# Allegro board LAY_90818_C.brd (continued)
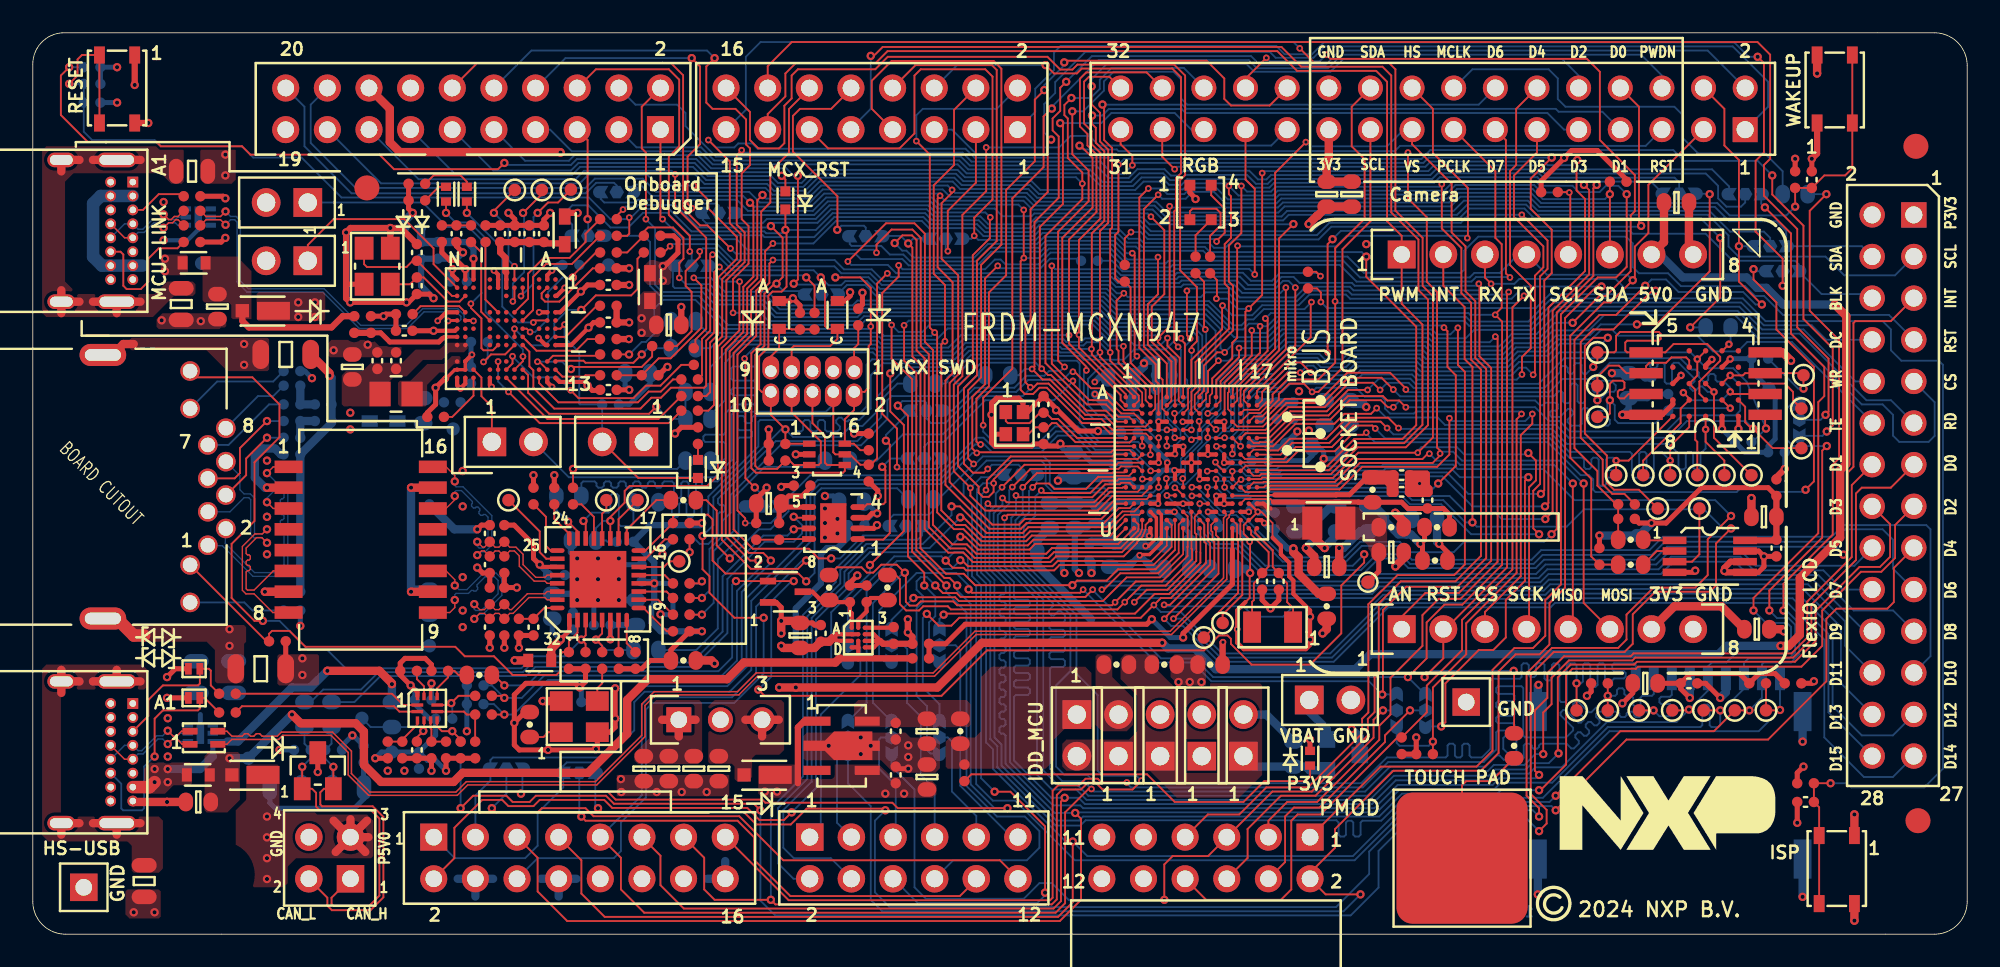
[diagram p0: board, top side]
## Routing (per net, layer and track width the routed paths; a pad name or vN(x,y) marks a point on that pad's centre or on a via; arc(x,y) is an arc through that point) (continued)
P0_2/TDO/SWO: length 73.6
  TOP w0.102: 73.98,33.24 73.88,33.14 73.88,32.57 U1.B16
  TOP w0.112: v1(76.43,39.45) 76.43,35.7 73.98,33.24 ; v1(38.87,41.98) 38.49,41.6 R130.2 ; J23.6 47.56,31.18 48.32,30.42 48.32,28.77 48.46,28.63 D16.4 49.53,28.27 49.42,28.16 44.11,28.16 43.83,28.43 43.83,35.44 44.39,36 44.39,39.2 44.93,39.74 44.93,40.92 v1(45.15,41.13)
  BOTTOM w0.112: v1(76.43,39.45) 76.11,39.13 73.78,39.13 73.26,39.64 70.19,39.64 70.04,39.49 66.08,39.49 65.71,39.85 51.89,39.85 51.17,40.57 49.48,40.57 48.91,41.13 v1(45.15,41.13) 42.72,41.13 41.75,42.1 39,42.1 v1(38.87,41.98)
P0_3/CMP1_IN1-MC_CUR_DCB: length 83.2
  TOP w0.102: 73.72,33.32 73.72,33.27 73.67,33.22 U1.B15
  TOP w0.112: v2(76.9,43.33) 76.02,42.46 76.02,35.62 73.72,33.32 ; v1(36,44.21) 35.62,43.83 R131.2 ; J23.8 46.29,31.84 48.07,30.06 48.07,28.76 47.94,28.63 D16.3 46.43,28.63 46.16,28.9 R145.2 45.41,28.4 44.25,28.4 44.07,28.58 44.07,35.35 44.63,35.9 44.63,39.08 45.24,39.69 v2(45.37,39.69) 45.37,39.72 45.74,40.09 45.74,42.49 v2(45.02,43.21)
  BOTTOM w0.112: SJ17.1 46.92,39.24 45.8,39.24 45.37,39.67 v2(45.37,39.69) ; v1(36,44.21) 36.18,44.39 36.82,44.39 36.92,44.49 39.2,44.49 40.57,43.12 44.94,43.12 v2(45.02,43.21) 45.02,43.24 45.19,43.41 47.86,43.41 48.69,44.23 54.53,44.23 54.96,43.8 57.8,43.8 58.29,43.31 60.77,43.31 61.2,43.74 67.7,43.74 68.12,43.31 76.88,43.31 v2(76.9,43.33)
P0_4/PDM0_CLK: length 105.3
  TOP w0.102: U1.B14 73.47,32.56 73.47,33.4 73.58,33.52
  TOP w0.112: v1(64.07,21.02) 63.88,20.83 57.29,20.83 v2(57.09,21.04) ; v2(82.31,14.62) 82.36,14.67 82.36,19.78 83.78,21.2 86.91,21.2 88.66,22.94 88.66,34.49 87.99,35.16 87.99,38.63 87.4,39.23 87.4,41.97 86.55,42.82 86.55,45.79 84.14,48.2 84.14,49.09 ; 73.58,33.52 75.78,35.72 75.78,46.45 v1(77.66,48.33)
  BOTTOM w0.112: v1(77.66,48.33) 77.91,48.07 82.61,48.07 83.63,49.09 84.14,49.09 ; SJ22.3 51.93,16.65 51.62,16.96 51.62,19.75 53.91,22.04 56.32,22.04 57.09,21.28 v2(57.09,21.04) ; SJ12.3 82.58,14.63 82.57,14.62 v2(82.31,14.62) 81.5,15.43 71.89,15.43 70.75,16.58 68.52,16.58 64.07,21.02 v1(64.07,21.02)
P0_5/PDM0_DATA0: length 104.1
  TOP w0.102: U1.A14 73.2,32.8 73.2,33.2
  TOP w0.112: J9.15 89.22,46.55 89.22,42.49 89.61,42.1 89.61,38.23 89.21,37.83 v1(89.21,37.79) 89.63,37.38 89.63,22.54 87.2,20.11 86.11,20.11 85.03,19.02 85.03,16.83 v2(83.88,15.69) ; v1(64.65,21.02) 64.21,20.58 56.6,20.58 56.36,20.81 55.52,20.81 v2(55.05,21.28) ; v1(75.19,37.57) 75.32,37.43 75.32,35.6 73.22,33.49 73.22,33.22 73.2,33.2
  BOTTOM w0.112: v2(55.05,21.28) 54.55,21.78 54.16,21.78 53.91,21.53 53.91,21.02 54.29,20.64 54.29,20.26 53.91,19.88 53.91,14.55 54.55,13.91 54.55,11.24 54.76,11.03 SJ21.3 ; v1(64.65,21.02) 64.65,21 68.82,16.83 70.86,16.83 72,15.69 v2(83.88,15.69) 84.94,14.63 SJ13.3 ; v1(75.19,37.57) 75.52,37.9 87.58,37.9 87.69,37.79 v1(89.21,37.79)
P0_6/ISPMODE_N-DEBUG: length 144.5
  TOP w0.102: U1.C14 72.9,32.04 72.9,33.03 72.97,33.09 72.97,33.49
  TOP w0.112: v1(74.87,37.09) 74.87,35.48 72.97,33.58 72.97,33.49 ; v2(109.66,9.21) R1.2 C3.1 108.97,7.75 SW3.3 SW3.4 ; v1(41.47,41.46) 41.32,41.32 41.32,36.82 40.82,36.32 40.82,34.1 R133.2 ; v2(48.07,40.07) 48.32,39.82 48.32,37.11 48.49,36.94 D15.C 49.08,36.32 48.64,35.88 46.42,35.88 46.29,35.75 J23.7
  BOTTOM w0.112: v2(109.66,9.21) 110.68,9.21 110.93,8.96 115.38,8.96 116.52,10.1 116.52,34.74 116.27,34.99 113.98,34.99 113.35,35.63 113.35,36.9 112.84,37.41 105.7,37.41 104.31,38.8 92.64,38.8 91.23,37.38 87.72,37.38 87.44,37.66 75.86,37.66 75.3,37.09 v1(74.87,37.09) 74.71,37.25 74.19,37.25 73.83,36.9 73.15,36.9 71.65,38.39 66.16,38.39 65.42,39.14 51.59,39.14 50.88,39.85 49.56,39.85 49.31,39.6 48.55,39.6 v2(48.07,40.07) 47.63,40.51 42.67,40.51 41.71,41.46 v1(41.47,41.46)
P0_7/FXIO_LCD_DC: length 45.6
  TOP w0.102: 72.81,33.76 72.7,33.65 72.7,31.8 U1.C13
  TOP w0.112: 72.81,33.76 74.36,35.31 v1(74.36,36.84)
  BOTTOM w0.112: v1(74.36,36.84) 74.51,36.68 75.25,36.68 75.98,37.42 87.32,37.42 87.61,37.13 91.33,37.13 92.75,38.54 104.2,38.54 105.59,37.15 108.52,37.15 109.4,36.27 J8.8
P0_8/FXIO_LCD_RD: length 50.1
  TOP w0.102: U1.C12 71.68,31.77 v1(71.67,31.77)
  BOTTOM w0.112: J8.11 113.35,32.58 111.85,32.58 107.79,36.64 105.38,36.64 103.99,38.03 93.15,38.03 91.73,36.62 90.21,36.62 89.45,35.87 85.29,35.87 85.02,36.14 76.56,36.14 75.49,35.07 73.54,35.07 72.17,33.7 72.17,32.27 v1(71.67,31.77)
P0_9/FXIO_LCD_WR: length 45.4
  TOP w0.112: v1(73.58,35.76) 73.58,35.2 72.2,33.82 72.2,32.79 U1.A12
  BOTTOM w0.112: J8.10 111.18,33.73 108.01,36.9 105.49,36.9 104.1,38.29 92.85,38.29 91.44,36.87 87.92,36.87 87.41,36.36 85.52,36.36 85.21,36.66 76.33,36.66 75.43,35.76 v1(73.58,35.76)
P0_10/CT0_MAT0-ARD_D9: length 49
  TOP w0.102: U1.B12 72.45,32.55 72.45,33.74
  TOP w0.112: v1(72.2,38.78) 72.2,38.9 72.23,38.94 72.23,39.91 R5.2 ; 72.45,33.74 73.97,35.26 73.97,37.98 v1(74.17,38.18) 74.99,39 v1(74.99,46.44)
  BOTTOM w0.112: v1(74.99,46.44) 75.02,46.44 75.14,46.56 85.12,46.56 85.47,46.91 92.08,46.91 92.32,46.67 102.43,46.67 103.48,45.62 SJ5.1 ; v1(72.2,38.78) 72.86,38.78 73.48,38.16 74.15,38.16 v1(74.17,38.18)
P0_11/SMARTDMA_CAMERA_HSYNC: length 35.4
  TOP w0.102: U1.B11 71.79,32.39 71.79,32.85 71.94,33 71.94,33.47
  TOP w0.112: 84.14,51.63 85.41,50.36 85.41,47.67 87.54,45.53 87.54,42.51 v1(87.51,42.48) ; 71.94,33.47 71.94,33.91 73.17,35.13 73.17,36.09 73.47,36.39 73.47,41.98 v1(73.49,42)
  BOTTOM w0.112: v1(73.49,42) 73.53,41.97 79.5,41.97 80.15,42.61 87.37,42.61 v1(87.51,42.48)
P0_12/FXIO_LCD_CS: length 57.1
  TOP w0.102: v1(72.17,30.8) 72.14,30.8 71.67,31.27 U1.D11
  BOTTOM w0.102: 73.09,31.06 72.91,30.88 72.25,30.88 v1(72.17,30.8)
  BOTTOM w0.112: J8.9 116.01,32.46 116.01,30.41 115.65,30.04 113.85,30.04 113.47,30.42 113.47,31.69 112.84,32.33 111.57,32.33 107.5,36.39 105.22,36.39 103.83,37.78 95.86,37.78 94.92,36.84 92.74,36.84 91.96,36.06 90.37,36.06 89.67,35.36 85.08,35.36 84.83,35.61 80.4,35.61 79.86,35.07 78.81,35.07 78.48,35.4 76.91,35.4 75.69,34.19 74.04,34.19 73.09,33.24 73.09,31.06
P0_13/FXIO_LCD_TE: length 47.3
  TOP w0.102: U1.F12 72.68,30.27 v1(72.7,30.29)
  BOTTOM w0.102: v1(72.7,30.29) 72.72,30.27 73.06,30.27 73.56,30.77 73.56,32.7 74.46,33.6
  BOTTOM w0.112: J8.12 112.2,31.23 107.3,36.14 104.58,36.14 104.01,35.56 102.49,35.56 101.54,36.52 96.71,36.52 96.33,36.9 95.69,36.9 95.08,36.29 93.05,36.29 92.31,35.55 90.58,35.55 89.88,34.85 84.87,34.85 84.59,35.14 80.64,35.14 80.1,34.6 78.57,34.6 78.24,34.93 77.19,34.93 75.86,33.6 74.46,33.6
P0_14/ADC0_B14-MC_BEMF_B: length 99.9
  TOP w0.102: U1.E11 71.67,30.3 v1(71.67,30.3)
  TOP w0.112: v2(97.85,37.21) 99.05,37.21 102.29,40.45 v2(102.29,45.15) ; v2(61.75,2.54) 61.75,6.58 59.63,8.7 v2(58.67,8.7)
  BOTTOM w0.102: 68.77,26.86 69.53,27.63 69.79,27.63 69.97,27.45 70.31,27.45 71.08,28.21 71.08,29.5 71.67,30.09 v1(71.67,30.3) 72.2,30.3 72.58,30.67 72.99,30.67 73.17,30.85 73.17,30.85 73.3,30.97 73.3,32.92 74.23,33.85
  BOTTOM w0.112: v2(97.85,37.21) 95.64,37.21 94.98,36.54 92.92,36.54 92.19,35.81 90.47,35.81 89.77,35.1 84.98,35.1 84.71,35.37 80.52,35.37 79.98,34.84 78.69,34.84 78.36,35.17 77.07,35.17 75.75,33.85 74.23,33.85 ; v2(61.75,2.54) 61.75,2.37 61.28,1.91 53.97,1.91 52.5,3.38 J4.6 ; 68.77,26.86 68.65,26.74 65.47,26.74 65.25,26.96 62.24,26.96 61.78,27.41 61.78,28.62 61.5,28.9 58.18,28.9 56.78,27.5 56.78,26.74 57.29,26.22 57.29,21.85 57.85,21.29 57.85,9.52 v2(58.67,8.7) ; v2(102.29,45.15) 102.27,45.18 SJ19.3
P0_15/ARD_A4: length 131.7
  TOP w0.102: U1.G13 v1(72.2,29.77)
  TOP w0.112: v2(91.88,7.18) 91.88,7.69 91.12,8.45 91.12,15.92 92.67,17.47 96.71,17.47 97.22,17.97 97.22,19.5 98.87,21.15 101.41,21.15 102.17,21.91 102.17,24.1 v2(103.59,25.52) ; v2(34.48,7.69) 34.71,7.45 43.38,7.45 44.13,6.7 46.24,6.7 47.2,7.66 51.9,7.66 v2(52.01,7.56)
  BOTTOM w0.102: v1(72.2,29.77) 72.2,29.75 73.01,28.94 73.64,28.94 74.2,28.39 75.88,28.39
  BOTTOM w0.112: SJ8.1 34.31,7.85 v2(34.48,7.69) ; v2(91.88,7.18) 91.5,7.56 84.04,7.56 81.52,5.04 81.52,3.67 79.5,1.66 52.27,1.66 51.37,2.56 51.37,6.93 v2(52.01,7.56) ; v2(103.59,25.52) 102.63,26.48 94.04,26.48 92.15,28.38 86.92,28.38 86.64,28.65 82.37,28.65 82.26,28.55 76.04,28.55 75.88,28.39
P0_16/FC2_I2C_SDA-MCULINK: length 103
  TOP w0.102: 71.69,33.09 71.56,32.96 71.56,32.66 U1.B10
  TOP w0.112: 71.69,33.09 71.69,34.36 v1(72.33,34.99) ; R142.2 36.26,41.6 R141.2 37.27,42.87 37.53,43.12 39.06,43.12 39.69,42.49 39.69,41.22 39.44,40.97 v1(39.44,40.05) ; J7.3 75.37,6.93 76.52,8.07 78.34,8.07 82.14,11.86 82.14,12.72 82.82,13.4 82.82,15.64 84.77,17.59 84.77,19.47 85.76,20.46 87.09,20.46 89.35,22.72 89.35,36.32 v1(89.22,36.46)
  BOTTOM w0.112: v1(89.22,36.46) 88.88,36.12 85.4,36.12 85.12,36.4 76.47,36.4 75.39,35.32 73.29,35.32 72.96,34.99 v1(72.33,34.99) 72.15,35.17 72.15,36.82 71.44,37.53 66.01,37.53 65.12,38.42 50.4,38.42 50.11,38.13 45.56,38.13 44.75,38.94 42.01,38.94 41.29,39.66 39.82,39.66 v1(39.44,40.05)
P0_17/FC2_I2C_SCL-MCULINK: length 106.5
  TOP w0.102: 71.44,33.15 71.17,32.88 U1.A10
  TOP w0.112: v1(72.71,35.5) 72.24,35.5 71.44,34.69 71.44,33.15 ; v1(40.32,40.05) 40.78,39.59 40.78,37 38.92,35.14 38.18,35.14 R140.2 R143.2 ; J7.7 71.68,7.31 73.6,7.31 75.25,8.96 77.79,8.96 81.09,12.26 81.09,13.15 81.47,13.53 81.47,20.13 83.25,21.91 86.71,21.91 87.36,22.56 87.36,34.31 86.93,34.74 v1(86.93,37)
  BOTTOM w0.112: v1(86.93,37) 86.88,37 86.47,36.6 85.64,36.6 85.33,36.9 76.21,36.9 75.48,36.18 73.38,36.18 v1(72.71,35.5) 72.45,35.75 72.45,36.92 71.55,37.82 66.06,37.82 65.22,38.66 50.3,38.66 50.01,38.37 45.66,38.37 44.83,39.2 42.21,39.2 41.36,40.05 v1(40.32,40.05)
P0_18/PMOD_FC0_SPI_MISO: length 110.3
  TOP w0.102: 71.18,34.23 71.18,33.21 70.88,32.91 70.88,32.07 U1.C10
  TOP w0.112: 71.18,34.23 71.18,34.8 73.21,36.83 73.21,39.56 72.96,39.82 72.96,42.02 73.72,42.78 v1(73.72,45.66) ; v1(85.95,45.76) 85.95,43.06 87.14,41.87 87.14,39.12 87.74,38.53 87.74,35.05 88.34,34.45 88.34,23.08 86.79,21.53 83.45,21.53 82.1,20.18 82.1,15.94 81.85,15.69 81.85,13.55 81.44,13.14 81.44,12.13 78.01,8.7 75.61,8.7 J7.5 72.83,5.91 71.69,4.77 69.53,4.77 69.02,4.26 v2(69.02,2.1)
  BOTTOM w0.112: v1(85.95,45.76) 85.79,45.61 75.82,45.61 75.53,45.31 74.07,45.31 v1(73.72,45.66) ; v2(69.02,2.1) 63.18,2.1 62.17,3.12 61.4,3.12 60.45,2.16 54.48,2.16 53.78,2.86 53.78,8.83 52.39,10.23 SJ23.3
P0_19/PMOD_FC0_SPI_CS: length 145.8
  TOP w0.102: U1.C9 70.67,33.09 70.93,33.34
  TOP w0.112: J7.1 82.22,10.23 88.07,10.23 89.04,11.2 89.04,16.13 90.37,17.46 91.51,17.46 92.26,18.21 92.26,20.39 93.22,21.34 93.22,37.82 95.47,40.07 96.58,40.07 97.23,40.72 v2(97.23,45.15) ; v1(72.96,45.66) 72.96,45.15 73.09,45.03 73.09,42.49 72.71,42.11 72.71,39.69 72.96,39.44 72.96,36.94 70.93,34.91 70.93,33.34
  BOTTOM w0.112: v2(97.23,45.15) 96.72,45.66 95.96,45.66 95.58,45.28 94.3,45.28 93.92,45.67 91.97,45.67 91.68,45.95 86.68,45.95 86.1,45.37 75.94,45.37 75.65,45.07 73.54,45.07 v1(72.96,45.66) 72.8,45.81 70.53,45.81 70.16,45.44 69.26,45.44 68.78,45.92 67.76,45.92 67.25,45.41 61.46,45.41 60.93,45.95 56.77,45.95 56.31,46.4 47.79,46.4 47,45.6 45.35,45.6 44.93,46.02 41.08,46.02 40.28,46.82 33.39,46.82 32.89,46.32 25.82,46.32 J2.13
P0_20/PMOD_INT: length 123.1
  TOP w0.102: 70.67,33.47 70.47,33.27 70.47,33.01 70.47,32.07 U1.C8
  TOP w0.112: v2(95.69,39.52) 95.39,39.52 93.47,37.6 93.47,21.15 92.52,20.2 92.52,17.68 91.92,17.08 90.45,17.08 89.41,16.04 89.41,11.06 88.33,9.97 82.99,9.97 79.44,6.42 79.44,5.27 77.91,3.75 J7.2 78.87,2.43 v2(80.99,2.43) ; 70.67,33.47 70.67,35.04 72.55,36.91 72.55,38.33 v1(72.57,38.36)
  BOTTOM w0.112: SJ24.3 49.72,9.21 51.12,7.81 51.12,2.1 51.81,1.4 79.96,1.4 v2(80.99,2.43) ; v1(72.57,38.36) 73.16,37.76 74.38,37.76 74.99,38.38 77.22,38.38 77.88,39.03 80.1,39.03 80.36,38.77 90.2,38.77 90.95,39.52 v2(95.69,39.52)
P0_21/TSI0_CH16: length 43.3
  TOP w0.102: 70.28,33.45 70.17,33.35 U1.A8
  TOP w0.112: 70.28,33.45 70.28,36.05 70.04,36.28 v1(70.04,36.36) ; v2(51.07,22.53) 53.13,24.59 53.13,31.07 52.3,31.9 v2(52.3,34.22)
  BOTTOM w0.112: SJ25.3 48.81,16.62 48.7,16.73 48.7,19.64 51.07,22 v2(51.07,22.53) ; v2(52.3,34.22) 52.69,34.6 56.48,34.6 57.24,35.36 62.47,35.36 62.54,35.28 63.86,35.28 64.09,35.05 66.56,35.05 67.18,35.68 69.1,35.68 69.79,36.36 v1(70.04,36.36)
P0_22/ADC0_A14-MC_BEMF_C: length 87.8
  TOP w0.102: 69.96,33.52 69.9,33.46 69.9,32.66 69.9,32.54 U1.B8
  TOP w0.112: v1(52.39,37.17) 52.39,35.12 53.64,33.86 53.64,23.34 55.71,21.28 v2(55.73,21.28) ; v1(69.22,36.38) 69.22,35.9 69.96,35.15 69.96,33.52
  BOTTOM w0.112: SJ18.3 37.27,42.61 37.65,42.23 37.65,39.56 38.27,38.95 40.63,38.95 42.41,37.17 50.5,37.17 50.8,37.47 52.09,37.47 v1(52.39,37.17) 52.81,36.75 54.27,36.75 54.72,37.2 64.66,37.2 65.26,36.59 65.57,36.29 66.84,36.29 67.19,35.93 68.77,35.93 v1(69.22,36.38) ; v2(55.73,21.28) 55.73,20.86 56.96,19.63 56.96,9.04 58.82,7.18 60.51,7.18 61.4,6.29 61.4,5.27 60.64,4.51 56.15,4.51 J4.8
P0_23/ARD_A5: length 144.8
  TOP w0.102: U1.B7 69.67,33.56 69.71,33.6
  TOP w0.112: v2(29.78,8.58) 29.78,8.59 29.89,8.7 35.07,8.7 35.56,8.21 44.49,8.21 44.68,8.02 52.43,8.02 52.77,7.69 v2(59.45,7.69) ; v1(69.35,44.42) 69.35,37.1 68.64,36.39 v1(68.64,36.38) 68.64,36.11 69.71,35.05 69.71,33.6 ; SW2.4 SW2.3 110.99,46.74 110.55,46.3 109.28,46.3 C4.1 R2.2 v2(107.5,44.39) ; v2(56.39,21.28) 55.92,21.74 55.6,21.74 53.9,23.45 53.9,34.25 53.15,34.99 v1(53.15,37.15)
  BOTTOM w0.112: v2(29.78,8.58) 29.87,8.67 SJ9.1 ; v2(107.5,44.39) 106.97,43.86 103.51,43.86 102.75,44.61 92.01,44.61 91.39,45.23 86.98,45.23 86.39,44.64 76.26,44.64 75.95,44.34 69.42,44.34 v1(69.35,44.42) ; v1(53.15,37.15) 53.43,37.44 64.76,37.44 65.36,36.83 65.65,36.54 68.48,36.54 v1(68.64,36.38) ; v2(59.45,7.69) 58.67,7.69 57.21,9.14 57.21,20.15 56.39,20.98 v2(56.39,21.28)
P0_24/FC1_SPI_SDO-ARD_D11: length 39.1
  TOP w0.102: 69.45,33.6 69.45,32.55 U1.B6
  TOP w0.112: v1(68.21,43.78) 69.02,42.96 69.02,39.06 68.26,38.29 68.26,36.14 69.45,34.94 69.45,33.6
  BOTTOM w0.112: SJ7.1 42.95,43.88 47.67,43.88 48.5,44.71 54.76,44.71 55.19,44.28 58.68,44.28 59.15,43.81 60.93,43.81 61.1,43.98 68.01,43.98 v1(68.21,43.78)
P0_25/FC1_SPI_SCK-ARD_D13: length 63.8
  TOP w0.112: U1.A6 69.17,34.82 68.02,35.97 68.02,38.43 68.64,39.05 v1(68.64,41.31) ; v1(42.56,41.84) 41.15,43.25 40.7,43.25 39.67,44.28 39.67,52.41 38.92,53.15 27.11,53.15 J2.12
  BOTTOM w0.112: v1(68.64,41.31) 68.49,41.17 66.77,41.17 65.87,42.07 61.89,42.07 61.46,41.64 58.46,41.64 57.63,40.81 53.43,40.81 53.04,41.2 50.5,41.2 50.18,41.52 42.88,41.52 v1(42.56,41.84)
P0_26/FC1_SPI_SDI-ARD_D12: length 69.6
  TOP w0.102: v1(70.67,30.17) 70.78,30.27 U1.F10
  TOP w0.112: v1(42.72,37.91) 42.72,39.97 43.66,40.91 43.66,43.21 43.24,43.63 43.24,46.42 43.75,46.93 43.75,47.95 43.51,48.19 43.51,49.71 42.86,50.36 41.46,50.36 41.08,50.74 41.08,52.95 v2(41.59,53.45)
  BOTTOM w0.102: v1(70.67,30.17) 70.65,30.17 70.27,30.55 70.27,30.88 70.5,31.11 70.5,31.9 71.1,32.5
  BOTTOM w0.112: v2(41.59,53.45) 41.13,53.92 30.42,53.92 J2.10 ; 71.1,32.5 71.1,36.43 70.73,36.79 65.74,36.79 65.46,37.07 64.82,37.71 50.7,37.71 50.4,37.41 44.89,37.41 44.38,37.91 v1(42.72,37.91)
P0_27/FC1_SPI_PCS-ARD_D10: length 45.1
  TOP w0.102: v1(71.14,31.3) 71.17,31.27 U1.E10
  TOP w0.112: R6.2 71.44,39.81 71.44,36.97 v1(71.52,36.9)
  BOTTOM w0.102: v1(71.14,31.3) 71.31,31.46 71.31,31.94 71.58,32.21
  BOTTOM w0.112: SJ6.1 39.22,40.71 39.05,40.54 39.05,39.53 39.16,39.42 41.07,39.42 41.82,38.68 44.59,38.68 45.38,37.89 50.2,37.89 50.5,38.18 65.02,38.18 65.92,37.29 71.13,37.29 v1(71.52,36.9) 71.58,36.84 71.58,32.21
P0_28/ARD_D8: length 54.3
  TOP w0.102: U1.E8 v1(70.67,30.77)
  TOP w0.112: v1(37.4,43.63) 37.4,47.69 37.15,47.95 37.15,50.49 J2.2
  BOTTOM w0.102: 71.34,32.32 70.71,31.69 70.71,30.8 v1(70.67,30.77)
  BOTTOM w0.112: 71.34,32.32 71.34,36.53 70.82,37.05 65.82,37.05 65.56,37.31 64.92,37.94 50.6,37.94 50.3,37.65 45.28,37.65 44.51,38.42 41.62,38.42 40.85,39.18 38.39,39.18 37.96,39.62 37.96,43.07 v1(37.4,43.63)
P0_29/ARD_D2: length 39.9
  TOP w0.102: v1(69.66,30.29) 69.68,30.29 69.71,30.27 U1.F8
  TOP w0.112: v2(61.78,53.03) 62.29,52.52 63.69,52.52 63.99,52.82 69.51,52.82 70.04,52.29 70.04,46.43 69.73,46.12 69.73,44.21 69.63,44.11 69.63,36.11 69.86,35.87 v1(69.86,35.83)
  BOTTOM w0.102: 70.03,32.83 69.77,32.57 69.55,32.57 69.02,32.04 69.02,31.44 69.53,30.93 69.53,30.42 v1(69.66,30.29)
  BOTTOM w0.112: J1.6 56.39,53.03 v2(61.78,53.03) ; v1(69.86,35.83) 70.03,35.67 70.03,32.83
P0_30/ARD_D4: length 36.5
  TOP w0.102: U1.E7 v1(69.18,30.77)
  TOP w0.112: v1(67.07,41.55) 67.21,41.41 67.21,35.38 67.33,35.27 v1(67.35,35.27)
  BOTTOM w0.112: SJ2.1 49.83,42.11 49.95,42 51.75,42 52.28,41.47 53.1,41.47 53.53,41.05 57.53,41.05 58.36,41.88 61.37,41.88 61.79,42.31 65.97,42.31 66.72,41.55 v1(67.07,41.55) ; v1(67.35,35.27) 66.88,34.8 65.28,34.8 64.37,33.89 64.37,32.28 65,31.65 67.41,31.65 68.29,30.77 v1(69.18,30.77)
P0_31/ARD_D7: length 58.1
  TOP w0.102: v1(69.64,31.78) 69.67,31.75 U1.D7
  TOP w0.112: J1.16 43.75,50.17 43.75,48.45 44.26,47.95 45.53,47.95 45.85,48.26 45.85,50.55 46.29,50.99 46.29,52.39 46.67,52.77 51.39,52.77 52.15,53.53 61.89,53.53 62.67,52.76 63.42,52.76 63.72,53.06 69.63,53.06 70.29,52.39 70.29,46.32 69.99,46.02 69.99,40.5 71.01,39.48 71.01,36.18 70.69,35.85 v1(70.69,35.62)
  BOTTOM w0.102: 69.88,31.78 v1(69.64,31.78)
  BOTTOM w0.112: v1(70.69,35.62) 70.69,32.59 69.88,31.78
P1_0/FC1_SPI_SDO_MCULINK: length 116.4
  TOP w0.102: 68.92,33.83 68.92,33.48 68.9,33.46 68.9,32.07 69.17,31.79 U1.C6
  TOP w0.112: J5.6 96.2,45.15 v2(96.2,45.15) R209.2 ; v1(40.33,45.68) 41.21,44.79 41.21,44.28 42.94,42.55 42.94,41.21 41.8,40.06 41.8,36.58 41.31,36.1 41.31,33.07 41.08,32.83 R139.2 ; 68.92,33.83 68.75,34 68.75,34.88 67.78,35.85 67.78,44.24 v1(68.65,45.11)
  BOTTOM w0.112: v2(96.2,45.15) 95.9,44.85 92.11,44.85 91.49,45.47 86.88,45.47 86.3,44.89 76.16,44.89 75.87,44.59 72.76,44.59 72.06,45.3 70.75,45.3 70.33,44.87 68.89,44.87 v1(68.65,45.11) 68.47,44.93 61.27,44.93 60.73,45.47 56.57,45.47 56.12,45.92 47.99,45.92 47.19,45.12 45.11,45.12 44.69,45.54 40.46,45.54 v1(40.33,45.68) 38.15,45.68 37.48,46.34 33.89,46.34 33.36,45.81 21.25,45.81 J2.17
P1_1/FC1_SPI_SCK_MCULINK: length 107.9
  TOP w0.102: 68.67,33.6 68.67,33.49 68.67,33.48 U1.C5
  TOP w0.112: 68.67,33.6 68.5,33.77 68.5,34.78 67.5,35.77 67.5,44.95 v1(68.05,45.5) ; R137.2 40.42,35.86 40.42,36.28 41.08,36.94 41.08,42.49 39.18,44.39 v1(39.18,46.36) ; R208.2 93.7,45.28 v1(93.73,45.25) 93.79,45.19 93.79,41.6 J5.5
  BOTTOM w0.112: v1(93.73,45.25) 92.04,45.25 91.58,45.71 86.78,45.71 86.2,45.13 76.04,45.13 75.75,44.83 72.9,44.83 72.18,45.55 70.64,45.55 70.24,45.16 69.21,45.16 68.86,45.5 v1(68.05,45.5) 67.72,45.17 61.37,45.17 60.83,45.71 56.67,45.71 56.22,46.16 47.89,46.16 47.1,45.36 45.21,45.36 44.79,45.78 40.98,45.78 40.4,46.36 v1(39.18,46.36) 38.96,46.58 33.62,46.58 33.11,46.07 23.53,46.07 J2.15
P1_2/CT1_MAT0-ARD_D6: length 121.2
  TOP w0.102: 68.26,33.6 68.39,33.47 68.39,33.22 68.47,33.14 68.47,32.06 U1.C4
  TOP w0.112: v2(106.11,46.3) 106.11,45.13 108.01,43.23 108.01,37.53 109.8,35.75 109.8,31.04 v2(109.43,30.67) ; R138.2 41.21,31.94 41.55,32.29 41.55,35.98 42.05,36.48 42.05,39.98 43.18,41.11 43.18,42.71 42.52,43.38 42.52,47.15 v1(41.21,48.45) ; v1(66.23,46.96) 66.23,42.86 66.03,42.66 66.03,40.02 66.23,39.82 R7.2 66.96,39.47 66.96,34.87 68.24,33.6 68.26,33.6
  BOTTOM w0.112: SJ4.1 109.17,30.41 v2(109.43,30.67) ; v1(41.21,48.45) 41.66,48.01 42.79,48.01 43.03,48.25 43.89,48.25 44.21,47.93 56.9,47.93 57.44,47.38 65.81,47.38 v1(66.23,46.96) 66.57,47.3 84.71,47.3 85.25,47.85 100.07,47.85 100.73,47.18 105.22,47.18 v2(106.11,46.3)
P1_3/FC1_SPI_PCS_MCULINK: length 101.6
  TOP w0.102: 67.5,33.6 67.88,33.21 67.88,32.58 68.17,32.29 U1.B4
  TOP w0.112: R156.2 90.36,16.04 v2(90.33,16.07) ; v1(40.68,41.66) 40.68,41.32 39.82,40.46 39.82,39.55 40.19,39.19 40.19,36.79 39.28,35.88 R136.2 ; v2(84.9,15.69) 86.04,16.83 J6.2 86.26,18.83 86.38,18.83 89.93,22.38 89.93,39.08 v1(90.03,39.18) ; 67.5,33.6 66.23,34.87 66.23,35.59 66.12,35.7 66.12,38.15 66.11,38.16 66.11,38.66 v1(66.55,39.11)
  BOTTOM w0.112: v1(40.68,41.66) 40.88,41.85 41.67,41.85 42.77,40.75 48.9,40.75 49.32,40.33 51.08,40.33 51.79,39.62 65.62,39.62 66.12,39.11 v1(66.55,39.11) 66.79,38.87 71.25,38.87 71.54,39.16 72.9,39.16 73.44,38.62 77.1,38.62 77.75,39.27 80.22,39.27 80.46,39.03 89.87,39.03 v1(90.03,39.18) ; v2(84.9,15.69) 85.28,16.07 v2(90.33,16.07)
P1_3/TOUCH_PAD: length 8.3
  TOP w0.112: E1.1 87.18,9.08 87.44,9.34 88.96,9.34 R156.1
P1_4: length 37.4
  TOP w0.102: 67.88,33.6 68.13,33.34 68.13,32.81 U1.A4
  TOP w0.112: v1(43.42,35.12) 43.42,35.04 43.47,34.99 43.47,27.83 v2(44.04,27.26) ; 67.88,33.6 66.53,34.95 v1(66.53,35.88)
  BOTTOM w0.112: v1(43.42,35.12) 43.42,35.2 43.96,35.74 51.34,35.74 51.53,35.55 56,35.55 56.76,36.31 62.86,36.31 63.04,36.14 63.96,36.14 64.18,36.36 65.16,36.36 65.6,35.91 66.49,35.91 v1(66.53,35.88) ; SJ27.2 44.51,26.79 v2(44.04,27.26)
P1_4/ENET_TXCLK: length 12.3
  BOTTOM w0.112: SJ27.1 43.05,25.62 43.05,24.13 41.79,22.87 41.79,18.65 40.47,17.34 R85.2
P1_4/SMARTDMA_LCD_D0_CAMERA_D0: length 85
  TOP w0.112: v1(45.15,42.15) 44.67,41.67 44.67,39.82 44.13,39.27 44.13,36.51 42.99,35.36 42.99,25.85 43.46,25.38 v1(43.46,25.09) ; J9.8 97.98,50.49 97.98,43.35 v2(98.11,43.22)
  BOTTOM w0.112: v1(43.46,25.09) 45.02,25.09 45.49,25.56 SJ27.3 ; v1(45.15,42.15) 47.62,42.15 48.99,43.52 54.23,43.52 54.67,43.08 57.51,43.08 57.99,42.6 61.07,42.6 61.49,43.02 66.26,43.02 66.85,42.43 67.51,42.43 67.77,42.18 71.76,42.18 72.05,41.88 72.74,41.88 73.24,42.39 78.43,42.39 79.21,43.17 98.06,43.17 v2(98.11,43.22)
P1_5/ENET_TXEN: length 8.2
  TOP w0.112: v2(32.96,28.39) R71.1
  BOTTOM w0.112: R160.1 39.31,28.39 v2(32.96,28.39)
P1_5/SMARTDMA_LCD_D1_CAMERA_D1: length 90.7
  TOP w0.102: 67.12,33.6 67.67,33.04 U1.B3
  TOP w0.112: 67.12,33.6 65.72,34.99 v1(65.72,35.5) 65.72,42.99 65.84,43.11 65.84,47.97 65.35,48.45 65.35,50.52 v2(65.25,50.62)
  BOTTOM w0.112: v2(65.25,50.62) 65.42,50.62 65.43,50.61 70.12,50.61 70.37,50.36 92.9,50.36 93.08,50.18 95.74,50.18 J9.7 ; R160.2 42.1,28.9 42.25,29.05 42.25,29.92 42.14,30.03 41.02,30.03 40.91,30.15 40.91,30.37 41.02,30.48 42.14,30.48 42.25,30.59 42.25,31.79 42.78,32.33 44.01,32.33 44.12,32.44 44.12,32.77 44.01,32.88 42.72,32.88 42.61,33 42.61,33.22 42.72,33.33 44.01,33.33 44.12,33.44 44.12,33.67 44.01,33.78 42.72,33.78 42.61,33.89 42.61,34.53 42.72,34.64 44.01,34.64 44.12,34.75 44.12,35.11 44.51,35.5 51.24,35.5 51.43,35.31 56.12,35.31 56.88,36.08 62.76,36.08 62.92,35.92 64.09,35.92 64.28,36.12 65.06,36.12 65.68,35.5 v1(65.72,35.5)
P1_6/ENET_TXD0: length 8.6
  TOP w0.112: v2(33.59,25.21) 33.73,25.08 U9.22
  BOTTOM w0.112: R161.1 36.64,25.09 36.45,24.9 35.86,24.9 35.75,25.01 35.75,26.75 35.64,26.86 35.34,26.86 35.23,26.75 35.23,25.83 35.12,25.72 34.1,25.72 v2(33.59,25.21)
P1_6/SMARTDMA_LCD_D2_CAMERA_D2: length 94.8
  TOP w0.102: 66.86,33.47 67.47,32.87 67.47,32.56 U1.B2
  TOP w0.112: 66.86,33.47 65.1,35.24 v1(65.1,35.5) 65.1,42.9 65.6,43.4 65.6,47.87 65.1,48.37 65.1,50.12 64.59,50.63 v2(64.59,51.73)
  BOTTOM w0.112: J9.10 94.3,52.39 93.28,53.41 79.95,53.41 79.16,52.62 74.51,52.62 74.03,53.1 65.51,53.1 64.59,52.18 v2(64.59,51.73) ; v1(65.1,35.5) 64.89,35.29 64.15,35.29 63.95,35.5 62.67,35.5 62.57,35.6 57.12,35.6 56.36,34.84 51.85,34.84 51.12,34.1 51.12,32.07 50.42,31.37 49.78,31.37 49.7,31.3 49.55,31.3 49.32,31.52 49.17,31.52 49.01,31.36 49.01,31.2 49.23,30.98 49.23,30.82 49.08,30.67 48.44,30.67 48.33,30.79 48.33,31.26 48.22,31.37 48,31.37 47.88,31.26 47.88,30.79 47.77,30.67 47.55,30.67 47.44,30.79 47.44,31.26 47.32,31.37 47.1,31.37 46.99,31.26 46.99,30.79 46.88,30.67 46.65,30.67 46.54,30.79 46.54,31.26 46.43,31.37 44.37,31.37 44.26,31.26 44.26,29.76 41.21,26.71 41.21,25.66 41.1,25.55 40.91,25.55 40.79,25.66 40.79,26.12 40.68,26.23 40.46,26.23 40.35,26.12 40.35,25.58 40.24,25.47 39.99,25.47 39.88,25.58 39.88,26.25 39.76,26.36 39.54,26.36 39.43,26.25 39.43,25.58 39.32,25.47 39.09,25.47 38.98,25.58 38.98,26.25 38.87,26.36 R161.2